# Allegro board 038RT-9068CJK8E-A100_0921.brd (continued)
## Routing (per net, layer and track width the routed paths; a pad name or vN(x,y) marks a point on that pad's centre or on a via; arc(x,y) is an arc through that point) (continued)
  TOP w0.508: v2(461.46,444.06) 460.62,444.9 460.62,446.32 458.09,448.84 458.09,454.04 459.91,455.85 SH31_DPS_5V0.1 ; SH32_DPS_5V0.1 397.9,455.85 396.08,454.04 396.08,448.84 398.61,446.32 398.61,444.9 v2(399.45,444.06)
  vias: v2(407.16,442.98) v2(407.16,442.21) v2(438.73,458.97) v2(438.73,457.95) v2(439.74,458.97) v2(439.74,457.95) v2(469.17,442.98) v2(469.17,442.21)
SH11_C_HSO+: length 4.1
  TOP w0.14: 398.18,47.62 398.18,46.44 399.51,45.12 399.51,44.56 UNK1HOST1.68
  TOP w0.15: 398.18,47.62 398.04,47.76 UNK1CH168.2
SH11_C_HSO-: length 4.1
  TOP w0.14: UNK1HOST1.67 399.9,44.55 399.9,45.28 398.57,46.6 398.57,47.62
  TOP w0.15: UNK1CH167.2 398.71,47.76 398.57,47.62
SH11_C_P6_HSI+: length 7.6
  BOTTOM w0.14: UNK1K213.38 447.51,189.17 448.29,189.17 448.43,189.03 448.43,186.93 449.44,185.92 452.06,185.92 452.2,185.78 UNK1CS104.1
SH11_C_P6_HSI-: length 7.6
  BOTTOM w0.14: UNK1CS103.1 452.2,186.45 452.06,186.31 449.6,186.31 448.82,187.09 448.82,189.19 448.45,189.56 447.51,189.56 UNK1K213.37
SH11_CC1: length 7.2
  TOP w0.115: v2(408.96,32.11) 408.96,32.8 407.27,34.49 405.18,34.49 404.3,35.37 UNK1HOST1.30
SH11_CC2: length 7.3
  TOP w0.115: v2(410.23,32.11) 410.23,32.29 407.49,35.03 405.4,35.03 405.1,35.32 UNK1HOST1.32
SH11_D_GPIO_VBUS: length 13.5
  TOP w0.115: UNK1HOST1.28 403.5,33.29 403.8,33 403.8,29.69 406.44,27.05 v2(407.09,27.05)
  L40_SIGNAL w0.105: v2(407.09,27.05) v2(407.09,24.51)
SH11_D_SJTCLK: length 7.6
  TOP w0.115: v2(394.01,46.61) 394.52,46.61 395.15,45.97 395.15,43.88 395.85,43.18 396.23,43.18 397.48,41.93 UNK1HOST1.5
SH11_D_SJTDI: length 5.5
  TOP w0.115: UNK1HOST1.6 397.25,41.53 396.1,42.67 395.4,42.67 v2(394.01,44.07)
SH11_D_SJTDO: length 8.8
  TOP w0.115: v2(391.47,44.07) 391.47,43.75 394.07,41.15 395.72,41.15 396.48,40.39 397.82,40.39 397.87,40.33 UNK1HOST1.9
SH11_D_SJTMS: length 10.6
  TOP w0.115: UNK1HOST1.8 396.77,40.73 395.85,41.66 394.42,41.66 392.16,43.92 392.16,45.92 v2(391.47,46.61)
SH11_DEV_SLP: length 15.3
  BOTTOM w0.115: UNK1RH1263.2 411.2,21.27 405.87,21.27 404.8,22.34 404.8,25.15 UNK1RH1262.2
SH11_DIS_DB: length 1.3
  TOP w0.115: v2(403.56,37.22) 403.9,36.88 UNK1HOST1.29
SH11_GPIO8: length 33.4
  L05_SIGNAL w0.105: v2(388.93,45.34) 388.35,44.76 383.23,44.76 381.42,42.95 v2(381.42,18.03)
SH11_GPIO_VBUS: length 18.7
  L05_SIGNAL w0.105: v2(391.58,18.03) 399.33,25.78 v2(407.09,25.78)
SH11_ISOLATEBPIN: length 14
  TOP w0.115: v2(388.93,46.61) 389.6,45.94 389.6,43.72 393.18,40.13 395.47,40.13 395.91,39.69 397.25,39.69 397.8,39.13 UNK1HOST1.12
SH11_L_SWR_5TO1_OUT: length 29.1
  TOP w0.203: v2(397.33,45.34) 397.07,45.34 396.69,44.97 396.69,43.99 397.56,43.13 UNK1HOST1.2
  TOP w0.3: v2(407.99,36.69) 407.63,36.69 407.19,37.13 UNK1HOST1.35 ; UNK1HOST1.63 401.5,46.1 v2(401.75,46.35) ; UNK1HOST1.60 402.7,45.27 403.02,45.59 v2(403.28,45.59) ; UNK1HOST1.25 v2(402.3,37.22) ; UNK1HOST1.55 404.7,45.31 v2(404.42,45.59) ; UNK1HOST1.11 v2(399.6,39.53)
  TOP w0.508: SH11_L_SWR_5TO1_OUT.1 379.24,36.68 384.06,41.5 386.3,41.5 v2(387.29,40.5)
  BOTTOM w0.292: UNK1CH1352.1 v2(407.99,36.69)
  BOTTOM w0.508: v2(404.42,45.59) 404.28,45.73 UNK1CH1552.1 ; UNK1CH1602.1 403.04,45.83 v2(403.28,45.59)
  vias: v2(387.29,39.74) v2(396.8,27.5) v2(402.38,55.25) v2(402.38,54.48) v2(411.23,34.54) v2(419.29,45.5) v2(420.56,45.5) v2(421.83,45.5)
SH11_LANWAKEB: length 13.9
  TOP w0.115: v2(390.2,44.07) 390.71,43.56 393.63,40.64 395.59,40.64 396.23,40 397.68,40 397.75,39.93 UNK1HOST1.10
  BOTTOM w0.115: UNK1RH1103.2 389.56,45.76 389.56,44.7 389.06,44.2 ; 389.06,44.2 UNK1RH1101.2 ; 389.06,44.2 UNK1RH1102.2
SH11_LDO_5TO3_OUT: length 21.8
  TOP w0.203: UNK1HOST1.1 397.99,43.53 v2(397.33,44.2)
  TOP w0.3: v2(407.99,38.34) 407.99,38.43 407.69,38.73 UNK1HOST1.39 ; UNK1HOST1.52 v2(405.9,43.44) ; v2(405.85,37.22) 405.9,37.17 UNK1HOST1.34 ; UNK1HOST1.20 v2(400.3,37.22) ; UNK1HOST1.4 v2(399.6,42.33)
  TOP w0.508: SH11_LDO_5TO3_OUT.1 391.58,20.96 394.48,23.85 394.48,30.36 394.84,30.72 395.8,30.72 v2(396.8,29.72)
  BOTTOM w0.508: UNK1CH152.1 v2(405.9,43.44)
  vias: v2(383.85,44.07) v2(384.61,44.07) v2(386.01,45.34) v2(387.53,45.34) v2(390.2,47.88) v2(392.74,47.88) v2(394.3,50.76) v2(397.93,53.34) v2(404.04,23.24) v2(405.56,23.24) v2(407.09,23.24) v2(407.32,32.11) v2(411.23,36.57)
SH11_LED1: length 16.3
  BOTTOM w0.115: UNK1RH1273.2 413.11,21.91 406.82,21.91 406.33,22.4 406.33,25.15 UNK1RH1272.2
SH11_P6_CLKREQB: length 33.6
  TOP w0.115: v2(387.53,44.07) 391.98,39.62 395.4,39.62 395.66,39.37 397.06,39.37 397.7,38.73 UNK1HOST1.13
  L11_SIGNAL w0.105: v2(387.53,44.07) 386.97,44.63 381.6,44.63 376.34,49.89 376.34,51.54 375.46,52.42 373.09,52.42 UNK1K211.2
SH11_P6_HSI+: length 164.7
  TOP w0.14: UNK1HOST1.64 401.1,44.55 401.1,49.76 arc(401.12,49.88) 401.19,49.98 403.7,52.49 arc(403.85,52.72) 403.9,52.99 403.9,55.61 arc(403.93,55.73) 403.99,55.83 405.18,57.01 arc(405.28,57.08) 405.39,57.1 405.42,57.1 arc(405.55,57.13) 405.67,57.2 405.7,57.24 arc(405.77,57.35) 405.8,57.48 405.8,57.51 arc(405.82,57.62) 405.89,57.72 405.97,57.8 arc(406.07,57.87) 406.18,57.89 406.21,57.89 arc(406.36,57.92) 406.48,58 arc(406.56,58.13) 406.59,58.27 406.59,58.3 arc(406.62,58.42) 406.68,58.51 406.76,58.6 arc(406.86,58.66) 406.98,58.68 407,58.68 arc(407.15,58.71) 407.27,58.8 arc(407.36,58.92) 407.39,59.07 407.39,59.09 arc(407.41,59.21) 407.47,59.31 407.56,59.39 arc(407.65,59.45) 407.77,59.48 407.8,59.48 arc(407.94,59.51) 408.06,59.59 arc(408.15,59.71) 408.18,59.86 408.18,59.89 arc(408.2,60) 408.26,60.1 408.36,60.2 arc(408.44,60.25) 408.54,60.27 408.59,60.27 arc(408.73,60.3) 408.86,60.38 408.87,60.39 arc(408.94,60.5) 408.97,60.63 408.97,60.67 arc(408.99,60.79) 409.06,60.9 428.84,80.67 arc(429.49,81.66) 429.73,82.82 429.73,158.63 arc(429.75,158.75) 429.82,158.85 450.44,179.47 arc(450.59,179.7) 450.64,179.97 450.64,185.32 arc(450.67,185.44) 450.74,185.54 451.02,185.83 arc(451.12,185.9) 451.24,185.92 452.55,185.92 arc(452.79,185.87) 452.99,185.74 v1(453.2,185.53)
SH11_P6_HSI-: length 164.7
  TOP w0.14: UNK1HOST1.65 400.71,44.56 400.71,49.76 arc(400.76,50.03) 400.91,50.26 403.42,52.77 arc(403.49,52.87) 403.51,52.99 403.51,55.61 arc(403.57,55.88) 403.72,56.1 428.56,80.94 arc(429.13,81.8) 429.34,82.82 429.34,158.63 arc(429.39,158.9) 429.54,159.12 450.16,179.75 arc(450.23,179.85) 450.25,179.97 450.25,185.32 arc(450.31,185.59) 450.46,185.82 450.75,186.11 arc(450.97,186.26) 451.24,186.31 452.54,186.31 arc(452.79,186.36) 452.99,186.5 v1(453.2,186.7)
SH11_P6_HSO+: length 166.8
  TOP w0.14: UNK1CH168.1 398.04,48.76 arc(398.14,48.8) 398.18,48.9 398.18,50.45 399.71,51.98 arc(399.78,52.08) 399.81,52.2 399.81,58.71 arc(399.86,58.98) 400.01,59.21 406.2,65.4 426.73,85.92 arc(427.16,86.58) 427.31,87.34 427.31,158.89 arc(427.37,159.16) 427.52,159.39 448.09,179.95 arc(448.15,180.05) 448.18,180.17 448.18,187.4 arc(448.23,187.67) 448.38,187.9 448.59,188.11 arc(448.82,188.26) 449.09,188.31 450.2,188.31 arc(450.28,188.33) 450.34,188.37 v1(450.42,188.45)
  BOTTOM w0.14: UNK1K213.35 447.51,190.56 448.57,190.56 449.61,189.53 449.61,188.65 449.95,188.31 450.28,188.31 v1(450.42,188.45)
SH11_P6_HSO-: length 166.8
  TOP w0.14: v1(450.42,187.79) 450.34,187.86 arc(450.28,187.91) 450.2,187.92 449.09,187.92 arc(448.97,187.9) 448.87,187.83 448.66,187.62 arc(448.59,187.52) 448.57,187.4 448.57,180.17 arc(448.51,179.9) 448.36,179.68 427.79,159.11 arc(427.73,159.01) 427.7,158.89 427.7,87.34 arc(427.52,86.43) 427,85.65 406.48,65.12 arc(406.4,65.01) 406.37,64.87 406.37,64.84 arc(406.34,64.72) 406.27,64.61 406.25,64.59 arc(406.13,64.51) 406,64.48 405.94,64.48 arc(405.84,64.46) 405.76,64.41 405.65,64.3 arc(405.6,64.22) 405.58,64.12 405.58,64.05 arc(405.56,63.95) 405.5,63.87 405.4,63.77 arc(405.32,63.71) 405.22,63.69 405.15,63.69 arc(405.05,63.67) 404.97,63.62 404.86,63.51 arc(404.8,63.43) 404.79,63.33 404.79,63.26 arc(404.76,63.15) 404.7,63.05 404.63,62.98 arc(404.54,62.92) 404.43,62.9 404.35,62.9 arc(404.26,62.88) 404.18,62.83 404.05,62.7 arc(404.01,62.63) 403.99,62.55 403.99,62.47 arc(403.97,62.36) 403.91,62.26 403.84,62.2 arc(403.74,62.13) 403.63,62.11 403.56,62.11 arc(403.47,62.09) 403.39,62.04 403.27,61.91 arc(403.22,61.84) 403.2,61.76 403.2,61.68 arc(403.18,61.56) 403.11,61.46 403.05,61.4 arc(402.96,61.34) 402.85,61.32 402.77,61.32 arc(402.68,61.3) 402.6,61.24 400.29,58.93 arc(400.22,58.83) 400.2,58.71 400.2,52.2 arc(400.14,51.93) 399.99,51.7 398.57,50.29 398.57,48.9 arc(398.61,48.8) 398.71,48.76 UNK1CH167.1
  BOTTOM w0.14: v1(450.42,187.79) 450.28,187.92 449.78,187.92 449.22,188.49 449.22,189.37 448.41,190.17 447.51,190.17 UNK1K213.36
SH11_P6_ISOLATEB: length 71.6
  L11_SIGNAL w0.105: UNK1K220.2 438.79,54.94 438.79,58.37 437.55,59.61 400.36,59.61 399.42,58.67 399.42,51.56 396.33,48.46 389.51,48.46 v2(388.93,47.88)
  BOTTOM w0.115: UNK1K220.2 438.9,52.27 438.9,49.41 440.07,48.24 UNK1RS104.2
SH11_P6_LANWAKEB: length 15.4
  L11_SIGNAL w0.105: UNK1K212.2 385.78,45.95 389.59,45.95 v2(390.2,45.34)
SH11_P6_PCIE_RESETB: length 71.2
  TOP w0.115: v2(386.01,44.07) 391.02,39.05 396.87,39.05 397.59,38.33 UNK1HOST1.14
  L11_SIGNAL w0.102: 405.72,45.72 404.73,44.73 396.8,44.73
  L11_SIGNAL w0.105: 396.8,44.73 390.18,44.73 388.78,43.33 386.74,43.33 v2(386.01,44.07) ; 405.72,45.72 406.28,46.28 411.16,46.28 411.95,47.07 427.22,47.07 428.76,48.6 428.76,53.71 429.63,54.58 432.95,54.58 UNK1K221.2
SH11_P6_REFCLK_100M+: length 186.2
  TOP w0.105: UNK1HOST1.61 402.3,45.52 403.55,46.77 403.55,48.67 v2(403.7,48.82)
  L03_SIGNAL w0.136: v1(472.63,185.79) 472.57,185.85 arc(472.52,185.88) 472.47,185.89 470.13,185.89 arc(470.04,185.87) 469.97,185.82 451.74,167.59 arc(451.51,167.44) 451.25,167.39 438.75,167.39 arc(437.93,167.23) 437.24,166.77 429.72,159.25 arc(429.67,159.18) 429.66,159.09 429.66,83.74 arc(429.6,83.48) 429.46,83.25 421.38,75.18 arc(421.32,75.09) 421.3,74.99 421.3,74.96 arc(421.28,74.85) 421.22,74.76 421.13,74.68 arc(421.04,74.61) 420.93,74.59 420.9,74.59 arc(420.8,74.57) 420.72,74.51 420.61,74.41 arc(420.55,74.32) 420.53,74.22 420.53,74.19 arc(420.5,74.05) 420.42,73.93 arc(420.3,73.85) 420.16,73.82 420.13,73.82 arc(420.03,73.8) 419.95,73.75 419.84,73.64 arc(419.78,73.55) 419.76,73.45 419.76,73.42 arc(419.65,73.16) 419.39,73.05 419.36,73.05 arc(419.26,73.03) 419.18,72.98 419.07,72.87 arc(419.01,72.78) 418.99,72.68 418.99,72.66 arc(418.89,72.39) 418.62,72.28 418.6,72.28 arc(418.49,72.26) 418.41,72.21 418.3,72.1 arc(418.24,72.01) 418.22,71.91 418.22,71.89 arc(418.2,71.74) 418.12,71.62 418.12,71.62 arc(418,71.54) 417.85,71.52 417.83,71.52 arc(417.73,71.5) 417.64,71.44 417.53,71.33 arc(417.48,71.25) 417.46,71.14 417.46,71.12 arc(417.35,70.86) 417.08,70.75 417.06,70.75 arc(416.96,70.73) 416.87,70.67 404,57.8 arc(403.66,57.29) 403.54,56.7 403.54,49.19 arc(403.59,48.99) v2(403.7,48.82)
  BOTTOM w0.105: v1(472.63,185.79) 472.53,185.89 471.36,185.89 470.38,186.87 470.38,187.25 470.38,188.95 470.2,189.13 469.69,189.13 UNK1K214.38
SH11_P6_REFCLK_100M-: length 186.2
  TOP w0.105: UNK1HOST1.62 401.9,45.78 403.09,46.96 403.09,48.67 v2(402.94,48.82)
  L03_SIGNAL w0.136: v1(472.63,186.45) 472.57,186.39 arc(472.52,186.35) 472.47,186.34 470.13,186.34 arc(469.87,186.29) 469.65,186.14 451.42,167.91 arc(451.34,167.86) 451.25,167.84 438.75,167.84 arc(437.76,167.65) 436.92,167.09 429.4,159.57 arc(429.25,159.35) 429.2,159.09 429.2,83.74 arc(429.19,83.65) 429.14,83.57 403.68,58.12 arc(403.25,57.47) 403.09,56.7 403.09,49.19 arc(403.05,48.99) v2(402.94,48.82)
  BOTTOM w0.105: v1(472.63,186.45) 472.53,186.35 471.56,186.35 470.85,187.06 470.85,189.14 470.39,189.6 469.69,189.6 UNK1K214.37
SH11_RSET: length 1.3
  TOP w0.115: v2(407.99,44.18) 407.33,43.53 UNK1HOST1.51
SH11_RST_INPIN: length 9.1
  TOP w0.115: UNK1HOST1.3 397.25,42.73 395.79,44.2 395.79,47.85 v2(394.3,49.33)
SH11_SJTCLK: length 49.7
  L05_SIGNAL w0.105: v2(371.26,16.9) 371.26,20.91 373.89,23.54 373.89,41.13 381.92,49.16 393.44,49.16 394.01,48.6 v2(394.01,47.88)
SH11_SJTDI: length 49
  L05_SIGNAL w0.105: v2(394.01,45.34) 393.37,45.97 393.37,48.12 393.02,48.47 382.88,48.47 376.05,41.64 376.05,19.15 v2(373.8,16.9)
SH11_SJTDO/LED0: length 38.3
  L05_SIGNAL w0.105: v2(391.47,45.34) 390.83,45.97 383.18,45.97 379.66,42.46 379.66,18.81 v2(378.88,18.03)
SH11_SJTMS: length 41.8
  L05_SIGNAL w0.105: v2(391.47,47.88) 390.84,47.25 383.01,47.25 377.74,41.98 377.74,18.29 v2(376.34,16.9)
SH11_SPICK: length 54.5
  TOP w0.115: v2(372.54,25.85) 372.53,25.86 UNK1SPIH11.6 ; v2(400.23,27.05) 398.89,28.4 398.89,33.58 399.9,34.6 UNK1HOST1.19
  L03_SIGNAL w0.145: v2(372.54,25.85) 374.02,25.85 374.37,25.5 374.37,24.73 373.93,24.29 371.77,24.29 371.43,23.95 371.43,23.41 371.75,23.1 376.64,23.1 379.59,20.14 396.12,20.14 400.23,24.26 v2(400.23,27.05)
SH11_SPICK_DBG: length 12.1
  BOTTOM w0.115: UNK1RH119.1 400.23,22.79 403.65,19.37 406.19,19.37 406.82,18.73 UNK1RH1192.2
SH11_SPICS: length 54.5
  TOP w0.115: v2(402.77,27.05) 401.43,28.4 401.43,33.07 401.9,33.55 UNK1HOST1.24 ; v2(374.8,47.76) 375.08,47.49 UNK1SPIH11.1
  L03_SIGNAL w0.145: v2(374.8,47.76) 384.86,37.7 390.17,37.7 397.27,30.6 398.25,30.6 399.03,29.82 400.01,29.82 v2(402.77,27.05)
SH11_SPICS_DBG: length 14.2
  BOTTOM w0.115: UNK1RH1243.2 409.3,20.64 404.92,20.64 402.77,22.79 UNK1RH1241.1
SH11_SPIO2: length 54.5
  TOP w0.115: v2(400.23,30.86) 399.52,31.57 399.52,33.45 400.7,34.64 UNK1HOST1.21 ; UNK1SPIH11.3 372.54,47.75 v2(372.53,47.76)
  L03_SIGNAL w0.145: v2(400.23,30.86) 399.28,31.82 399.28,33.54 399.67,33.94 399.67,36.44 398.18,37.93 398.18,39.24 395.52,41.89 382.62,41.89 379.66,44.84 379.66,46.27 377.13,48.81 373.58,48.81 v2(372.53,47.76)
SH11_SPIO3: length 54.5
  TOP w0.115: v2(400.23,32.13) 400.23,33.4 401.1,34.27 UNK1HOST1.22 ; UNK1SPIH11.7 373.8,21.09 v2(373.8,21.09)
  L03_SIGNAL w0.145: v2(400.23,32.13) 403.4,28.97 403.4,25.74 396.77,19.12 379.15,19.12 376.05,22.22 374.35,22.22 373.8,21.67 v2(373.8,21.09)
SH11_SPISI: length 54.5
  TOP w0.115: v2(398.96,27.05) 398.25,27.76 398.25,33.71 399.5,34.96 UNK1HOST1.18 ; v2(371.27,25.85) 371.26,25.86 UNK1SPIH11.5
  L03_SIGNAL w0.145: v2(398.96,27.05) 398.96,25.19 395.06,21.29 380.64,21.29 376.39,25.54 376.39,29.45 375.44,30.4 371.98,30.4 371.27,29.69 v2(371.27,25.85)
SH11_SPISI_DBG: length 10.4
  BOTTOM w0.115: UNK1RH118.1 398.96,22.79 403.71,18.03 UNK1RH1182.2
SH11_SPISO: length 54.5
  TOP w0.115: v2(401.5,27.05) 400.86,27.69 400.86,33.27 401.5,33.91 UNK1HOST1.23 ; v2(373.8,43.06) 373.81,43.05 UNK1SPIH11.2
  L03_SIGNAL w0.145: v2(401.5,27.05) 400.08,28.47 395.79,28.47 388.87,35.38 374.66,35.38 373.64,36.4 373.64,37.87 376.29,40.53 376.29,42.35 375.58,43.06 v2(373.8,43.06)
SH11_SPISO_DBG: length 13
  BOTTOM w0.115: UNK1RH1232.2 407.39,20 404.28,20 401.5,22.79 UNK1RH123.1
SH11_SWR_5TO1_OUT: length 2.7
  TOP w0.3: v2(395.79,37.47) 395.85,37.53 UNK1HOST1.16
  vias: v2(394.52,37.47) v2(394.52,36.19) v2(395.79,36.19)
SH11_TESTENPIN: length 9.8
  TOP w0.115: UNK1HOST1.7 397.01,41.13 395.98,42.16 394.96,42.16 393.05,44.07 v2(392.74,44.07)
  BOTTOM w0.115: UNK1RH172.2 392.87,44.2 393.37,44.7 393.37,45.76 UNK1RH171.2
SH11_USB_AVDD10: length 33.5
  TOP w0.292: 407.68,37.53 UNK1HOST1.36
  TOP w0.3: UNK1HOST1.50 407.77,43.13 v2(407.99,42.91) ; v2(407.99,39.48) 407.63,39.13 UNK1HOST1.40
  TOP w0.381: 407.95,37.53 407.68,37.53
  TOP w0.508: 407.95,37.53 409.27,37.53 409.77,38.03 409.77,38.79 410.28,39.3 v2(410.63,39.3) 410.76,39.43 412.78,39.43 422.86,29.36 422.86,22.51 424.6,20.77 SH11_USB_AVDD10.1
SH11_XTAL_IN: length 6.4
  TOP w0.115: UNK1HOST1.53 405.5,45.28 406.33,46.1 407.28,46.1 v2(408.67,47.5)
  BOTTOM w0.115: UNK1YH11.3 408.67,48.29 v2(408.67,47.5)
SH11_XTAL_OUT: length 9.4
  TOP w0.115: UNK1HOST1.54 405.1,45.64 406.2,46.74 406.88,46.74 v2(407.64,47.5)
  BOTTOM w0.115: UNK1YH11.1 406.9,50.18 405.87,49.15 405.87,48.64 406.38,48.13 407.27,48.13 407.64,47.76 v2(407.64,47.5)
SH12_C_HSO+: length 4.1
  TOP w0.14: 460.19,47.62 460.19,46.44 461.52,45.12 461.52,44.56 UNK1HOST2.68
  TOP w0.15: UNK1CH268.2 460.05,47.76 460.19,47.62
SH12_C_HSO-: length 4.1
  TOP w0.14: UNK1HOST2.67 461.91,44.55 461.91,45.28 460.58,46.6 460.58,47.62
  TOP w0.15: UNK1CH267.2 460.72,47.76 460.58,47.62
SH12_C_P7_HSI+: length 5.2
  BOTTOM w0.14: UNK1CS114.1 452.2,193.78 452.06,193.92 449.09,193.92 448.84,193.67 447.51,193.67 UNK1K213.29
SH12_C_P7_HSI-: length 5.2
  BOTTOM w0.14: UNK1CS113.1 452.2,194.45 452.06,194.31 448.93,194.31 448.68,194.06 447.51,194.06 UNK1K213.28
SH12_CC1: length 7.2
  TOP w0.115: v2(470.97,32.11) 470.97,32.8 469.28,34.49 467.19,34.49 466.31,35.37 UNK1HOST2.30
SH12_CC2: length 7.3
  TOP w0.115: v2(472.24,32.11) 472.24,32.29 469.5,35.03 467.41,35.03 467.11,35.32 UNK1HOST2.32
SH12_D_GPIO_VBUS: length 13.5
  TOP w0.115: v2(469.1,27.05) 468.45,27.05 465.81,29.69 465.81,33 465.51,33.29 UNK1HOST2.28
  L40_SIGNAL w0.105: v2(469.1,27.05) v2(469.1,24.51)
SH12_D_SJTCLK: length 7.6
  TOP w0.115: v2(456.02,46.61) 456.52,46.61 457.16,45.97 457.16,43.88 457.86,43.18 458.24,43.18 459.49,41.93 UNK1HOST2.5
SH12_D_SJTDI: length 5.5
  TOP w0.115: v2(456.02,44.07) 457.41,42.67 458.11,42.67 459.25,41.53 UNK1HOST2.6
SH12_D_SJTDO: length 8.8
  TOP w0.115: v2(453.48,44.07) 453.48,43.75 456.08,41.15 457.73,41.15 458.49,40.39 459.83,40.39 459.88,40.33 UNK1HOST2.9
SH12_D_SJTMS: length 10.6
  TOP w0.115: v2(453.48,46.61) 454.17,45.92 454.17,43.92 456.43,41.66 457.86,41.66 458.78,40.73 UNK1HOST2.8
SH12_DEV_SLP: length 15.3
  BOTTOM w0.115: UNK1RH2263.2 473.21,21.27 467.88,21.27 466.81,22.34 466.81,25.15 UNK1RH2262.2
SH12_DIS_DB: length 1.3
  TOP w0.115: v2(465.57,37.22) 465.91,36.88 UNK1HOST2.29
SH12_GPIO8: length 35
  L05_SIGNAL w0.105: v2(439.62,18.03) 439.62,39.14 445.17,44.69 450.28,44.69 v2(450.94,45.34)
SH12_GPIO_VBUS: length 18.7
  L05_SIGNAL w0.105: v2(453.59,18.03) 461.34,25.78 v2(469.1,25.78)
SH12_ISOLATEBPIN: length 14
  TOP w0.115: UNK1HOST2.12 459.81,39.13 459.26,39.69 457.92,39.69 457.48,40.13 455.19,40.13 451.61,43.72 451.61,45.94 v2(450.94,46.61)
SH12_L_SWR_5TO1_OUT: length 29.1
  TOP w0.203: v2(459.33,45.34) 459.08,45.34 458.7,44.97 458.7,43.99 459.57,43.13 UNK1HOST2.2
  TOP w0.3: v2(463.76,46.35) 463.51,46.1 UNK1HOST2.63 ; UNK1HOST2.11 v2(461.6,39.53) ; v2(465.29,45.59) 465.03,45.59 464.71,45.27 UNK1HOST2.60 ; UNK1HOST2.25 v2(464.31,37.22) ; v2(469.99,36.69) 469.64,36.69 469.2,37.13 UNK1HOST2.35 ; v2(466.43,45.59) 466.71,45.31 UNK1HOST2.55
  TOP w0.508: v2(449.3,40.5) 448.31,41.5 446.07,41.5 441.25,36.68 SH12_L_SWR_5TO1_OUT.1
  BOTTOM w0.292: UNK1CH2352.1 v2(469.99,36.69)
  BOTTOM w0.508: UNK1CH2602.1 465.05,45.83 v2(465.29,45.59) ; UNK1CH2552.1 466.29,45.73 v2(466.43,45.59)
  vias: v2(449.3,39.74) v2(458.81,27.5) v2(464.39,55.25) v2(464.39,54.48) v2(473.24,34.54) v2(481.3,45.5) v2(482.57,45.5) v2(483.84,45.5)
SH12_LANWAKEB: length 14
  TOP w0.115: v2(452.21,44.07) 452.71,43.56 455.64,40.64 457.6,40.64 458.24,40 459.69,40 459.76,39.93 UNK1HOST2.10
  BOTTOM w0.115: UNK1RH2103.2 451.57,45.76 451.57,44.84 UNK1RH2102.2 UNK1RH2101.2
SH12_LDO_5TO3_OUT: length 21.8
  TOP w0.203: UNK1HOST2.1 460,43.53 v2(459.33,44.2)
  TOP w0.3: UNK1HOST2.4 v2(461.6,42.33) ; UNK1HOST2.34 467.91,37.17 v2(467.86,37.22) ; UNK1HOST2.20 v2(462.31,37.22) ; UNK1HOST2.52 v2(467.91,43.44) ; UNK1HOST2.39 469.7,38.73 469.99,38.43 v2(469.99,38.34)
  TOP w0.508: v2(458.81,29.72) 457.81,30.72 456.85,30.72 456.49,30.36 456.49,23.85 453.59,20.96 SH12_LDO_5TO3_OUT.1
  BOTTOM w0.508: UNK1CH252.1 v2(467.91,43.44)
  vias: v2(445.86,44.07) v2(446.62,44.07) v2(448.02,45.34) v2(449.54,45.34) v2(452.21,47.88) v2(454.75,47.88) v2(456.31,50.76) v2(459.94,53.34) v2(466.05,23.24) v2(467.57,23.24) v2(469.1,23.24) v2(469.33,32.11) v2(473.24,36.57)
SH12_LED1: length 16.3
  BOTTOM w0.115: UNK1RH2273.2 475.12,21.91 468.83,21.91 468.34,22.4 468.34,25.15 UNK1RH2272.2
SH12_P7_CLKREQB: length 102.3
  TOP w0.115: v2(449.54,44.07) 453.98,39.62 457.41,39.62 457.67,39.37 459.07,39.37 459.7,38.73 UNK1HOST2.13
  L11_SIGNAL w0.102: 408.23,42.37 405.69,42.37 404.46,43.6 399.36,43.6 398.52,42.77
  L11_SIGNAL w0.105: UNK1K211.7 370.19,52.13 370.19,50.23 371.37,49.06 376.18,49.06 382.46,42.77 398.52,42.77 ; 408.23,42.37 411.46,42.37 412.63,43.54 430.33,43.54 431.83,42.04 441.74,42.04 442.86,43.15 448.63,43.15 v2(449.54,44.07)
SH12_P7_HSI+: length 157.6
  TOP w0.14: UNK1HOST2.64 463.11,44.55 463.11,51.04 arc(463.06,51.31) 462.9,51.53 461.75,52.69 arc(461.68,52.79) 461.65,52.91 461.65,59.65 arc(461.6,59.92) 461.45,60.15 459.89,61.71 arc(459.82,61.81) 459.8,61.93 459.8,63.14 arc(459.82,63.25) 459.89,63.35 459.96,63.42 arc(460,63.49) 460.02,63.56 460.02,63.64 arc(459.99,63.79) 459.91,63.91 459.89,63.93 arc(459.82,64.03) 459.8,64.14 459.8,64.26 arc(459.82,64.37) 459.89,64.47 459.91,64.49 arc(459.99,64.61) 460.02,64.76 460.02,64.76 arc(459.99,64.91) 459.91,65.03 459.89,65.05 arc(459.82,65.15) 459.8,65.26 459.8,65.38 arc(459.82,65.49) 459.89,65.59 459.91,65.61 arc(459.99,65.73) 460.02,65.88 arc(459.99,66.02) 459.91,66.15 459.89,66.17 arc(459.82,66.27) 459.8,66.38 459.8,66.5 arc(459.82,66.61) 459.89,66.71 459.91,66.73 arc(459.99,66.85) 460.02,67 arc(459.99,67.14) 459.91,67.27 459.89,67.29 arc(459.82,67.38) 459.8,67.5 459.8,67.63 arc(459.82,67.74) 459.89,67.84 459.91,67.86 arc(459.99,67.98) 460.02,68.12 arc(459.99,68.27) 459.91,68.39 459.89,68.41 arc(459.82,68.51) 459.8,68.62 459.8,73.57 arc(459.57,74.7) 458.93,75.67 456.49,78.11 arc(456.12,78.66) 455.99,79.31 455.99,164.67 arc(456.01,164.79) 456.08,164.89 457.85,166.66 arc(458,166.89) 458.05,167.15 458.05,188.76 arc(458,189.03) 457.85,189.26 454.85,192.26 arc(454.62,192.41) 454.35,192.46 453.01,192.46 arc(452.9,192.49) 452.8,192.55 452.48,192.87 arc(452.41,192.97) 452.39,193.09 452.39,193.7 arc(452.4,193.78) 452.44,193.84 452.53,193.92 452.68,193.92 arc(452.8,193.9) 452.9,193.83 v1(453.2,193.53)
SH12_P7_HSI-: length 157.6
  TOP w0.14: UNK1HOST2.65 462.72,44.56 462.72,51.04 arc(462.69,51.16) 462.63,51.26 461.47,52.41 arc(461.32,52.64) 461.26,52.91 461.26,59.65 arc(461.24,59.77) 461.17,59.87 459.62,61.43 arc(459.46,61.66) 459.41,61.93 459.41,73.57 arc(459.21,74.55) 458.66,75.39 456.21,77.83 arc(455.76,78.51) 455.6,79.31 455.6,164.67 arc(455.65,164.94) 455.81,165.17 457.57,166.93 arc(457.64,167.03) 457.66,167.15 457.66,188.76 arc(457.64,188.88) 457.57,188.98 454.57,191.98 arc(454.47,192.05) 454.35,192.07 453.01,192.07 arc(452.75,192.13) 452.52,192.28 452.2,192.6 arc(452.05,192.82) 452,193.09 452,193.7 arc(452.04,193.93) 452.17,194.12 452.36,194.31 452.6,194.31 arc(452.79,194.35) 452.95,194.46 v1(453.2,194.7)
SH12_P7_HSO+: length 163.7
  TOP w0.14: v1(450.42,196.45) 450.34,196.37 arc(450.28,196.33) 450.2,196.31 448.14,196.31 arc(447.88,196.26) 447.65,196.11 447.37,195.83 arc(447.22,195.6) 447.16,195.33 447.16,191.54 arc(447.22,191.28) 447.37,191.05 448.53,189.89 arc(448.76,189.74) 449.02,189.69 453.61,189.69 arc(453.73,189.66) 453.83,189.59 455.26,188.16 arc(455.33,188.06) 455.36,187.94 455.36,168.37 arc(455.33,168.25) 455.26,168.15 453.75,166.64 arc(453.6,166.41) 453.54,166.14 453.54,75.48 arc(453.73,74.54) 454.27,73.74 456.89,71.11 arc(457.23,70.6) 457.35,70 457.35,53.62 arc(457.47,53.02) 457.81,52.51 459.88,50.44 arc(460.11,50.1) 460.19,49.69 460.19,48.9 arc(460.15,48.8) 460.05,48.76 UNK1CH268.1
  BOTTOM w0.14: UNK1K213.26 447.51,195.06 448.59,195.06 449.84,196.31 450.28,196.31 v1(450.42,196.45)
SH12_P7_HSO-: length 163.7
  TOP w0.14: UNK1CH267.1 460.72,48.76 arc(460.62,48.8) 460.58,48.9 460.58,49.69 arc(460.47,50.25) 460.16,50.72 458.09,52.79 arc(457.83,53.17) 457.74,53.62 457.74,60.89 arc(457.77,61) 457.83,61.1 457.85,61.12 arc(457.96,61.39) 457.85,61.66 457.83,61.68 arc(457.77,61.78) 457.74,61.89 457.74,62.01 arc(457.77,62.12) 457.83,62.22 457.85,62.24 arc(457.93,62.36) 457.96,62.51 457.96,62.51 arc(457.93,62.66) 457.85,62.78 457.83,62.8 arc(457.77,62.9) 457.74,63.01 457.74,63.13 arc(457.77,63.24) 457.83,63.34 457.85,63.36 arc(457.93,63.48) 457.96,63.63 arc(457.93,63.78) 457.85,63.9 457.83,63.92 arc(457.77,64.02) 457.74,64.13 457.74,64.25 arc(457.77,64.36) 457.83,64.46 457.85,64.48 arc(457.93,64.59) 457.95,64.73 457.95,64.77 arc(457.93,64.91) 457.85,65.02 457.83,65.04 arc(457.77,65.14) 457.74,65.25 457.74,65.35 arc(457.77,65.47) 457.83,65.56 457.85,65.58 arc(457.91,65.68) 457.94,65.79 457.94,65.91 arc(457.91,66.02) 457.85,66.12 457.83,66.14 arc(457.77,66.24) 457.74,66.35 457.74,70 arc(457.59,70.75) 457.17,71.39 454.54,74.01 arc(454.09,74.69) 453.93,75.48 453.93,166.14 arc(453.96,166.26) 454.02,166.36 455.54,167.88 arc(455.69,168.1) 455.75,168.37 455.75,187.94 arc(455.69,188.21) 455.54,188.43 454.1,189.87 arc(453.88,190.02) 453.61,190.08 449.02,190.08 arc(448.9,190.1) 448.8,190.17 447.65,191.33 arc(447.58,191.43) 447.55,191.54 447.55,195.33 arc(447.58,195.45) 447.65,195.55 447.92,195.83 arc(448.03,195.9) 448.14,195.92 450.2,195.92 arc(450.28,195.91) 450.34,195.86 v1(450.42,195.79)
  BOTTOM w0.14: v1(450.42,195.79) 450.28,195.92 450,195.92 448.75,194.67 447.51,194.67 UNK1K213.27
